# KiCad board st225_20427.kicad_pcb (continued)
## Copper pours and planes (outline as drawn; the poured copper is in the pictures) (continued)
+5V on Top: 6.73,116.71 6.73,111.25 3.43,111.25 3.43,107.7 9.52,107.7 9.52,108.59 8.13,108.59 8.13,110.24 8.89,110.87 8.89,117.48 7.62,117.48
+5V on Top: 115.57,18.67 115.57,24.77 119,29.08 119,31.75 115.95,31.75 115.95,34.54 116.84,34.54 116.84,37.59 118.36,37.59 118.36,34.54 121.16,34.54 121.16,30.61 121.54,30.61 121.54,22.48 116.46,18.03
+5V on Top: 4.39,10.62 8.25,10.62 8.25,8.48 6.53,8.48 6.53,7.77 4.39,7.77
+5V on Top: 105.54,12.95 107.82,12.95 107.82,19.05 108.97,20.19 108.97,25.53 106.43,27.56 106.43,29.21 105.54,29.21 105.54,26.8 107.82,25.02 107.82,20.7 107.31,20.07 105.54,20.07
+5V on Bottom: 31.5,121.67 33.4,121.67 35.18,120.02 35.18,115.06 36.96,113.16 36.96,95.89 36.2,95.12 34.67,95.12 32.89,96.77 28.7,96.77 28.7,95.5 32.38,95.5 36.45,91.44 36.45,89.15 38.1,87.63 38.1,85.73 38.48,85.34 39.12,85.34 39.5,85.73 39.5,88.14 38.23,89.41 38.23,113.28 35.81,115.7 35.81,121.16 33.91,122.81 31.5,122.81
+5V on Bottom: 79.5,135.38 81.91,132.97 82.93,132.97 84.46,134.49 84.46,135.13 82.93,136.65 79.5,136.65
+5V on Bottom: 116.71,18.42 116.71,19.81 113.41,19.81 106.68,12.7 106.68,12.32 101.09,6.6 84.2,6.6 83.31,7.62 73.79,7.62 72.9,6.6 65.41,6.6 64.9,6.1 49.28,6.1 49.15,5.97 35.43,5.97 34.8,7.11 24.64,7.11 21.21,10.54 20.45,10.54 20.45,13.72 21.46,14.73 38.73,14.73 40.26,16.26 40.26,18.16 42.8,20.7 42.8,22.73 44.2,24.26 45.21,24.26 45.59,24.64 45.59,25.02 45.21,25.53 44.32,25.53 42.8,27.05 42.8,28.83 43.43,29.59 43.43,35.43 44.07,36.07 47.75,36.07 49.02,37.34 53.09,37.34 54.61,35.81 56.13,35.81 56.13,36.96 55.24,36.96 53.59,38.61 48.51,38.61 47.24,37.47 43.69,37.47 42.29,36.07 42.29,30.73 41.53,29.97 39.5,29.97 39.5,29.21 41.53,27.18 41.53,21.46 38.99,18.8 38.99,16.89 38.1,16.13 20.83,16.13 19.18,14.22 19.18,10.54 9.91,10.54 9.02,11.43 9.02,16.13 11.3,18.29 11.3,19.81 9.52,19.81 6.98,17.53 6.98,9.02 8.13,7.62 19.94,7.62 24.13,3.43 73.15,3.43 74.29,4.95 80.77,4.95 81.53,3.94 101.6,3.94 115.7,18.29 116.59,18.29
+5V on Bottom: 101.98,116.08 103.12,117.22 105.92,117.22 106.43,117.73 109.85,117.73 109.98,117.6 116.59,117.6 117.22,116.84 119.13,116.84 119.38,116.97 125.98,116.97 130.56,121.54 131.06,121.54 131.95,120.65 131.95,116.46 130.68,115.06 123.06,115.06 119.89,111.89 117.22,111.89 112.65,116.33 106.55,116.33 105.28,115.06 103,115.06
+5V on Bottom: 7.75,116.46 9.14,116.46 17.14,124.33 18.54,124.33 18.54,127.38 17.4,128.78 17.4,129.92 18.41,131.06 19.43,131.06 19.43,132.33 17.78,132.33 15.37,129.79 15.37,125.73 7.62,117.98
+12V on Top: 62.1,153.67 66.17,153.67 66.17,156.08 63.88,156.08 63.63,155.7 63.25,155.7 62.1,154.56
+12V on Top: 45.59,99.19 51.05,99.19 51.82,98.43 61.72,98.43 62.36,97.92 68.58,97.92 68.96,98.3 68.96,99.82 67.82,100.97 56.77,100.97 56.39,100.58 44.96,100.58 44.96,99.7
+12V on Top: 121.28,143.13 124.71,143.13 124.71,144.27 123.44,144.27 123.44,145.42 121.28,145.42
+12V on Bottom: 112.27,22.48 126.11,22.48 126.62,22.99 126.62,37.47 131.95,42.8 131.95,87.5 133.48,89.15 133.48,97.92 134.37,98.55 135.38,98.55 135.38,100.46 133.48,101.85 133.48,108.59 133.22,108.84 133.22,110.74 135.89,113.28 135.89,131.19 133.1,133.99 133.1,135.38 124.33,144.15 123.57,144.15 123.57,141.86 129.79,135.64 129.79,134.11 134.49,129.41 134.49,126.49 134.24,126.24 134.24,123.95 133.6,123.32 133.6,114.17 130.81,111.25 130.81,91.19 129.41,89.66 129.41,69.6 130.17,68.83 130.17,62.61 128.65,60.83 128.65,44.2 120.52,35.81 120.52,26.67 119.51,25.65 116.33,25.65 115.32,26.67 115.32,33.4 114.81,33.91 113.66,33.91 113.66,34.8 111,37.47 111,46.48 111.76,47.12 111.76,52.96 114.43,55.88 113.03,57.02 109.47,53.47 105.28,53.47 102.74,56.01 86.61,56.01 85.47,57.28 85.47,87.76 77.34,95.89 69.47,95.89 68.71,96.65 68.71,100.46 69.85,101.47 76.71,101.47 79.5,104.27 82.55,104.27 83.82,105.92 83.82,106.93 79.63,106.93 78.99,106.3 75.18,106.3 72.77,103.76 69.72,103.76 66.42,100.58 66.42,95.63 68.71,93.09 75.69,93.09 82.55,86.36 82.55,54.48 83.44,53.47 101.98,53.47 106.43,49.02 107.57,49.02 109.35,47.5 109.35,32.89 111.89,30.1 111.89,22.86
+12V on Bottom: 45.59,100.08 47.12,101.09 47.12,107.06 46.48,107.95 46.48,110.87 44.96,112.52 44.96,114.3 48.77,118.11 48.77,123.19 49.28,123.7 49.28,137.16 50.55,138.68 58.04,138.68 60.58,141.1 62.23,141.1 64.52,143.38 64.52,154.43 63.88,154.94 61.85,154.94 61.85,145.29 60.07,143.51 59.05,143.51 57.4,141.73 49.4,141.73 47.24,139.57 47.24,119.51 44.07,116.46 44.07,115.57 43.56,115.06 43.56,111.25 44.58,110.24 44.58,108.84 45.09,108.33 45.09,102.24 44.58,101.85 44.58,100.58
+12VA on Top: 123.32,150.24 125.35,150.24 125.35,152.53 124.59,153.29 123.7,153.29 123.32,152.91
+12VA on Top: 121.16,142.11 127.63,142.11 128.52,143 128.52,144.78 129.92,146.18 131.19,146.18 131.83,145.54 131.83,143.38 132.46,142.75 132.46,139.19 122.94,139.19 122.3,139.83 121.67,139.83 121.16,140.34
+12VA on Top: 79.76,157.73 82.93,157.73 82.93,147.45 81.66,147.45 81.66,152.65 80.14,152.65 79.76,153.04
+12VA on Bottom: 132.08,144.65 129.41,144.65 129.03,145.03 129.03,154.69 125.98,154.69 125.98,153.92 124.33,152.27 123.57,152.27 123.44,152.4 123.44,153.67 126.87,157.1 129.03,157.1 129.03,159.64 130.81,161.42 130.81,162.56 130.56,162.81 130.56,167.89 131.06,168.4 131.06,191.64 126.36,196.34 119.25,196.34 116.59,190.5 107.7,190.5 106.93,189.61 106.93,187.45 107.44,186.94 107.44,183.64 105.28,183.64 104.27,184.91 104.27,191.14 102.87,192.53 86.61,192.53 82.55,188.09 82.55,185.55 81.66,184.79 81.66,173.74 86.74,168.53 86.74,162.05 82.42,157.73 82.42,155.19 81.53,154.43 81.53,153.92 80.26,153.92 80.26,159 82.3,161.04 83.82,161.04 84.58,161.8 84.58,163.45 84.46,163.58 84.46,166.62 79.76,171.45 79.76,187.83 80.52,188.6 80.52,192.79 83.44,195.71 112.01,195.71 113.16,194.44 114.55,194.44 116.46,198.75 130.43,198.75 136.65,192.53 136.65,180.47 133.86,177.8 133.86,167.64 132.33,165.99 132.33,144.78
GND on Top: 0.76,0.89 136.4,0.89 136.4,11.18 130.43,11.18 130.56,28.19 129.29,30.48 129.29,33.02 130.81,35.18 133.1,36.2 135.13,36.07 136.4,35.43 136.4,52.96 133.6,52.96 133.6,64.26 131.83,64.26 131.83,86.87 133.6,86.87 133.6,98.3 136.65,98.3 136.65,132.33 133.73,132.33 133.73,141.86 131.95,141.73 131.95,166.24 133.6,166.24 133.6,176.78 134.62,177.67 136.78,177.67 136.78,192.41 130.81,198.37 64.77,198.37 64.77,193.17 57.15,185.04 57.15,168.53 56.39,165.61 56.26,161.67 55.63,157.73 54.1,153.54 52.2,150.11 49.91,147.19 46.61,143.89 44.07,142.24 40.89,140.59 37.85,139.45 35.31,138.94 32.77,138.68 31.24,138.3 3.68,138.3 3.68,132.59 1.14,132.59 1.14,98.55 3.56,98.55 3.56,87.12 5.59,87.12 5.59,65.53 4.95,64.64 3.56,64.64 3.56,53.34 0.89,53.34 0.89,35.56 2.16,36.45 4.45,36.58 6.35,35.81 7.62,34.54 8.25,32.77 8.38,31.37 8,30.23 7.62,29.34 6.35,28.19 6.35,12.57 5.59,11.81 0.76,11.81
GND on Bottom: 55.37,157.1 60.45,157.1 61.21,156.34 61.21,146.94 51.69,146.94 51.18,147.45 51.18,149.23 52.58,151 53.72,152.78 54.48,154.81
GND on Bottom: 113.41,156.21 106.04,156.21 101.85,160.4 99.95,160.4 99.95,159.89 101.6,159.89 106.43,155.07 113.41,155.07
GND on Bottom: 54.48,199.01 54.48,192.15 55.5,191.01 65.02,191.01 69.72,195.71 69.72,199.01
GND on Bottom: 6.22,19.43 6.22,28.19 4.95,29.08 1.52,29.08 1.52,39.5 2.41,39.5 8.76,32.77 8.76,28.07 7.75,27.05 7.75,24.89 8.76,24 8.76,19.43
GND on Bottom: 83.31,187.96 86.11,191.14 103.38,191.14 103.89,190.75 103.89,178.56 100.71,175.39 94.62,175.39 93.85,174.62 93.85,173.48 94.49,172.85 101.6,172.85 103.5,174.75 108.84,174.75 109.47,174.24 109.47,171.2 108.97,170.56 98.04,170.56 93.6,165.99 91.82,165.99 91.06,166.62 91.06,175.51 92.07,176.66 99.19,176.66 101.85,179.32 101.85,184.02 101.22,184.79 100.2,184.79 99.57,184.15 99.57,181.99 98.17,180.98 96.77,181.99 96.77,184.15 96.01,184.79 95.12,184.79 94.49,184.15 94.49,181.99 93.09,180.85 91.57,181.99 91.57,183.39 89.53,183.39 89.53,181.99 88.65,181.23 88.65,175.39 87.12,175.39 85.47,176.91 85.47,179.58 86.61,180.47 86.61,184.02 85.85,184.91 84.96,184.91 84.33,184.15 84.33,182.12 83.69,181.48 83.69,175.9 88.01,171.58 88.01,162.31 87.63,161.93 87.38,162.31 87.38,169.29 82.3,174.37 82.3,181.48 83.06,181.86 83.95,182.75 83.95,184.91 83.19,185.55 83.19,187.71
GND on Bottom: 123.06,177.42 124.08,178.44 129.29,178.44 129.67,178.05 129.67,169.55 127.89,167.64 127.89,159.39 122.43,154.31 122.43,151.38 123.32,150.62 123.32,149.1 122.17,149.1 122.17,150.11 121.28,151 121.28,154.81 124.97,158.37 125.6,158.37 126.24,159 126.24,173.48 125.73,173.99 124.97,173.99 123.57,172.59 123.57,161.42 122.55,161.42 122.55,164.21 123.06,164.85
GND on Bottom: 98.3,161.67 102.62,161.67 104.78,159.51 109.73,159.51 110.49,158.75 115.7,158.75 117.73,156.72 117.73,152.65 116.2,152.65 115.57,153.16 115.57,157.1 114.55,158.12 112.9,158.12 112.65,157.73 105.79,157.73 102.36,161.16 98.3,161.16
GND on Bottom: 127.63,24.89 130.81,24.89 130.81,28.83 135.76,28.83 135.76,37.47 129.29,37.47 127.63,36.2
GND on Bottom: 98.17,157.73 95.12,157.73 91.19,153.8 91.19,152.27 91.57,152.27 94.62,155.45 97.16,155.45 97.66,154.94 97.66,153.92 97.28,153.42 96.39,153.42 95.63,154.18 94.87,154.18 92.33,151.64 92.33,133.86 92.84,133.35 92.84,126.24 93.34,126.24 93.34,130.68 93.98,131.32 103.25,131.32 104.78,133.6 104.78,138.68 108.08,141.73 110.36,141.73 111.12,140.97 111.12,139.95 108.97,138.56 108.97,137.03 110.24,135.64 111.51,135.64 114.17,132.97 114.17,132.59 115.32,132.59 115.32,133.6 112.14,136.65 111.12,136.65 110.24,137.54 110.24,138.18 112.27,139.57 112.27,145.03 110.74,146.18 108.2,146.18 107.19,145.03 104.14,145.03 102.36,143.38 100.84,143.38 99.95,144.4 95.63,144.4 95,143.89 95,135.76 96.52,134.62 96.52,133.22 95.88,132.33 95.12,132.33 92.96,134.11 92.96,151.51 95,153.54 95.5,153.54 96.39,152.78 98.42,152.78 98.93,153.29 98.93,157.1
/Digital and Stepper/PHASE1 on Top: 58.93,186.56 58.93,188.85 57.79,189.48 54.1,189.48 52.2,186.82 52.2,185.67 52.83,185.67 52.83,186.56 54.36,188.6 56.01,188.6 56.01,186.56
/Digital and Stepper/PHASE2 on Top: 64.64,178.31 67.06,178.31 67.06,180.34 67.44,180.34 70.23,184.15 70.23,184.91 69.85,185.29 65.15,185.29 64.64,184.91
/Digital and Stepper/PHASE2 on Top: 72.77,176.28 72.77,173.86 73.66,172.97 75.06,172.97 75.06,174.75 75.31,175.01 75.31,176.28
/Digital and Stepper/PHASE2 on Bottom: 67.18,180.72 67.18,181.61 69.22,183.64 74.17,183.64 77.09,186.56 77.09,183.64 78.49,182.25 78.49,180.85 75.82,178.18 75.82,174.24 75.18,173.61 74.04,173.61 73.53,174.12 73.53,179.45 74.68,180.59 74.68,181.86 74.04,182.37 69.6,182.37 67.94,180.72
/Digital and Stepper/PHASE3 on Top: 60.96,172.47 63.12,172.47 63.75,171.96 63.75,171.07 62.61,169.93 60.96,169.93
/Digital and Stepper/PHASE3 on Top: 64.01,185.04 64.01,178.44 61.09,178.44 60.58,178.82 60.58,184.15 61.47,185.04
/Digital and Stepper/PHASE4 on Top: 78.49,185.67 74.42,188.6 73.79,188.6 72.01,185.93 72.01,180.34 75.31,180.34 75.31,181.86 77.22,184.02 78.49,184.02
/Digital and Stepper/PHASE4 on Top: 40.39,193.93 40.39,198.12 50.67,198.12 50.67,192.91 48.13,192.91 48.13,194.31 46.23,196.85 43.69,196.85 42.04,194.82 41.02,194.82 41.02,193.93
/Digital and Stepper/PHASE4 on Bottom: 72.9,181.48 70.48,178.94 70.48,172.59 71.63,171.83 72.64,171.83 72.64,179.32 73.79,180.59 73.79,181.48
Net-(J3-Pin_1) on Bottom: 127.13,12.95 128.91,12.95 133.98,8.89 134.11,3.68 130.3,3.68 130.3,6.73 127.13,9.14
Net-(J3-Pin_4) on Bottom: 115.06,4.95 115.06,10.41 117.47,13.46 121.03,13.46 122.17,12.45 122.17,11.68 118.75,7.37 118.75,5.08 117.6,4.06 116.46,4.06
Net-(R12-Pad2) on Top: 55.75,182.12 56.77,183.39 56.77,187.07 53.98,187.07 53.34,186.44 53.34,182.12
Net-(R21-Pad2) on Top: 52.58,182.37 52.58,185.17 49.66,185.17 49.66,187.07 48.77,187.07 48.77,188.21 47.37,189.36 46.86,189.36 46.86,191.01 44.32,191.01 44.32,189.48 46.35,188.09 47.5,188.09 48.26,187.33 48.26,183.39 49.15,182.37
Net-(R39-Pad1) on Top: 69.09,178.31 75.18,178.31 75.18,179.71 70.74,179.71 70.74,181.23 69.98,181.23 69.98,179.71 69.09,179.71
Net-(R40-Pad2) on Top: 64.64,176.28 64.64,173.86 66.42,172.09 66.42,169.16 68.96,169.16 68.96,171.58 67.18,172.85 67.18,176.28
Net-(R43-Pad1) on Top: 58.17,173.48 58.17,165.74 56.9,165.74 56.9,169.93 55.88,169.93 55.12,173.48
Net-(R45-Pad2) on Top: 58.17,174.37 58.17,182.88 57.02,182.88 57.02,179.2 55.12,177.29 55.12,175.77 56.51,174.37
Net-(R50-Pad1) on Top: 51.43,188.09 51.43,196.09 51.18,196.09 51.18,198.12 52.45,198.12 52.45,196.09 52.2,196.09 52.32,188.09
Net-(R51-Pad2) on Top: 35.81,198.5 39.24,198.5 39.62,198.25 39.62,189.61 40.13,189.1 43.43,189.1 43.43,188.09 41.02,188.09 37.08,189.99 35.81,189.99
Net-(U10-L1) on Top: 60.83,165.74 63.5,165.74 64.01,166.24 64.01,169.8 64.64,170.56 64.64,172.34 62.87,174.12 62.87,176.4 60.83,176.4 60.83,173.99 62.23,173.99 64.26,171.96 64.26,171.07 62.74,169.42 62.74,168.28 60.83,168.28
Net-(U10-L2) on Top: 40.39,191.9 40.39,189.99 43.18,189.99 43.18,192.02 42.93,192.28 42.04,192.28 42.04,191.9
Net-(U10-L4) on Top: 69.09,172.97 70.1,172.97 71.5,173.99 71.5,176.28 69.09,176.28
Net-(U10-L4) on Top: 65.28,168.91 68.96,168.91 68.96,165.1 69.47,164.72 69.47,162.94 69.09,162.94 69.09,163.45 68.71,163.83 67.18,163.96 66.55,164.59 66.55,165.61 66.29,165.99 65.66,165.99 65.28,166.37
Net-(U28-12V) on Top: 89.28,107.7 90.17,108.08 94.62,108.08 94.62,105.03 95.88,104.27 95.88,101.09 96.39,100.58 96.39,99.82 93.73,99.82 91.82,101.73 91.82,105.66 89.28,105.66

## Text on the board
Bottom: J3 | J1 | J5 | J4 | J6 | ST-225N | INTELLIGENT | ASSY 50427 | REV | SEAGATE TECHNOLOGY
User.Drawings: BODGE WIRE | This work is licensed under a Creative Commons / Attribution-ShareAlike 4.0 International License. / See https://creativecommons.org/licenses/by-sa/4.0/. | ASSY 20427 / Reverse Engineered by Tube Time | ST-225N INTELLIGENT
Top: + | 20428-001 | REV 2008
